# Altium PCB DM1098OAKW.PcbDoc (part 5 of 5)
Units mm, origin at the board's own origin, x right, y up, seen from the top; angles counter-clockwise.
Board outline 98.3 x 35 mm, 6 copper layers (Top Copper, Signal Layer 1, Signal Layer 2, Signal Layer 3, Signal Layer 4, Bottom Copper), stack 1.597 mm thick; 204 components, 159 nets, 836 pads, 621 vias.
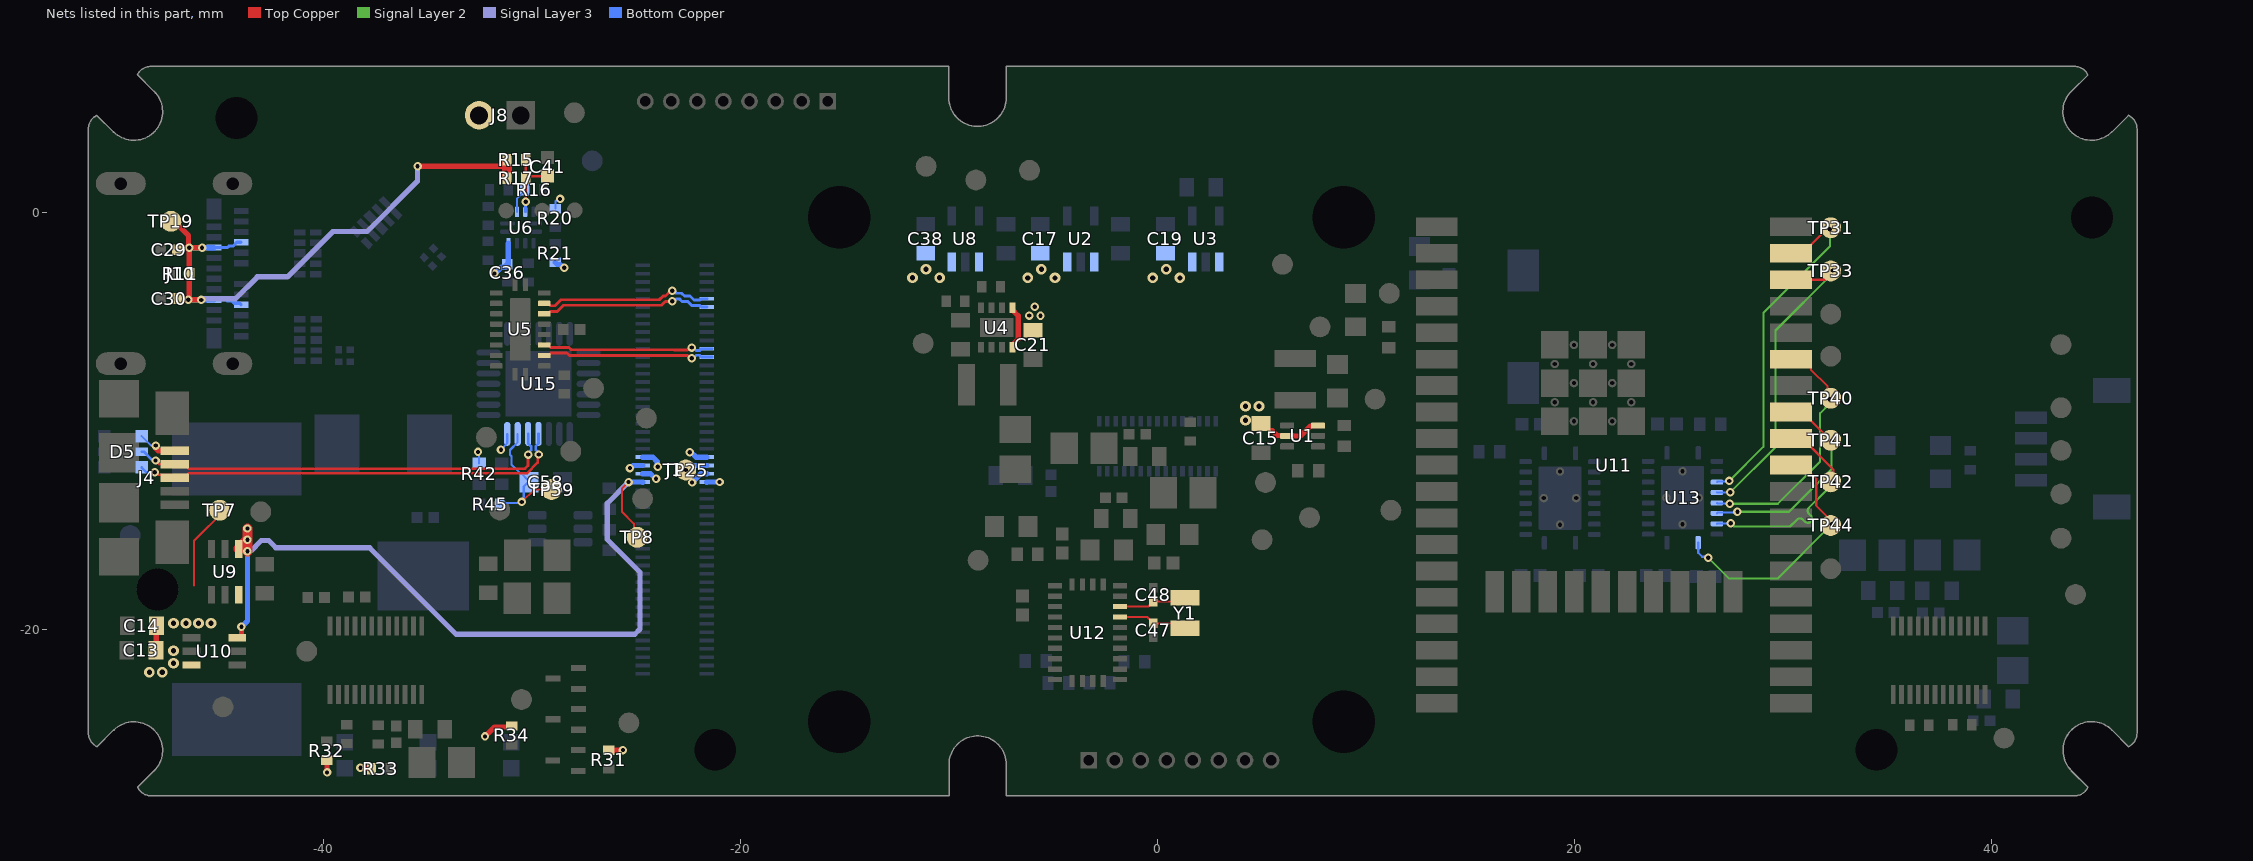
[diagram p9: the nets of this part, all layers, seen from the top]

## Via types
v1: diameter 0.406, hole 0.203, Top Copper to Bottom Copper, tented both sides, 471 vias
v2: diameter 0.508, hole 0.254, Top Copper to Bottom Copper, tented both sides, 132 vias
v3: diameter 0.508, hole 0.254, Top Copper to Bottom Copper, 16 vias
v4: diameter 0.406, hole 0.203, Top Copper to Bottom Copper, tented bottom, 2 vias

## Nets (pads, with @x,y where several pads share a name; then routed paths per layer and width w, separated by ;. In a path a pad name is that pad's centre, name@x,y a point inside that pad or via, vN(x,y) a via of type N, cw(c..) or ccw(c..) an arc to the next point about the centre after c; other vN are vias at no path point) (continued)
USB_PORT: R16.1 U6.4 | length 1.2
  Bottom Copper w0.102: U6.4@-30.734,0.014 -30.734,0.654 -30.36,1.028 R16.1@-30.36,1.078
USB_RX_N: J1.12 U5.7 | length 8.3
  Top Copper w0.139: U5.7@-29.421,-4.872 -29.246,-4.872 -29.129,-4.755 -28.79,-4.755 -28.501,-4.466 -26.284,-4.466 -25.627,-4.466 -23.79,-4.466 -23.612,-4.288 -23.29,-4.288 v1(-23.278,-4.275)
  Bottom Copper w0.139: v1(-23.278,-4.275) -23.205,-4.275 -23.085,-4.155 -22.945,-4.155 -22.81,-4.29 -22.535,-4.29 -22.342,-4.483 -21.947,-4.483 -21.88,-4.55 J1.12@-21.62,-4.55
USB_RX_P: J1.10 U5.8 | length 8.4
  Top Copper w0.139: U5.8@-29.421,-4.372 -29.246,-4.372 -29.129,-4.489 -28.9,-4.489 -28.611,-4.2 -23.9,-4.2 -23.716,-4.016 -23.597,-4.016 -23.35,-3.769 v1(-23.278,-3.769)
  Bottom Copper w0.139: v1(-23.278,-3.769) -23.205,-3.769 -23.085,-3.889 -22.835,-3.889 -22.7,-4.024 -22.425,-4.024 -22.232,-4.217 -21.947,-4.217 -21.88,-4.15 J1.10@-21.62,-4.15
USB_TX_N: J1.24 U5.3 | length 8.3
  Top Copper w0.139: U5.3@-29.421,-6.872 -29.246,-6.872 -29.129,-6.755 -28.913,-6.755 -28.345,-6.755 -28.234,-6.866 -23.327,-6.866 -23.31,-6.883 -22.541,-6.883 -22.421,-7.003 v1(-22.349,-7.003)
  Bottom Copper w0.127: v1(-22.349,-7.003) -22.273,-7.003 -22.134,-6.864 -21.966,-6.864 -21.88,-6.95 J1.24@-21.62,-6.95 J1.24@-21.36,-6.95
USB_TX_P: J1.22 U5.4 | length 8.3
  Top Copper w0.139: U5.4@-29.421,-6.372 -29.246,-6.372 -29.129,-6.489 -28.803,-6.489 -28.235,-6.489 -28.124,-6.6 -23.217,-6.6 -23.2,-6.617 -22.541,-6.617 -22.421,-6.497 v1(-22.349,-6.497)
  Bottom Copper w0.127: v1(-22.349,-6.497) -22.273,-6.497 -22.134,-6.636 -21.966,-6.636 -21.88,-6.55 J1.22@-21.62,-6.55 J1.22@-21.36,-6.55
USBSER_D_N: D5.6 J4.3 U15.4 | length 21
  Top Copper w0.127: v1(-48.106,-12.48) -48.031,-12.48 -47.907,-12.604 -47.288,-12.604 J4.3@-47.151,-12.741 -46.676,-12.741 -46.465,-12.53 -30.249,-12.53 -29.736,-12.017 -29.736,-11.679 v1(-29.683,-11.625)
  Bottom Copper w0.127: D5.6@-48.738,-12.243 -48.502,-12.479 -48.108,-12.479 v1(-48.106,-12.48) ; U15.4@-29.697,-10.636 -29.697,-11.096 -29.823,-11.222 -29.823,-11.411 -29.683,-11.552 v1(-29.683,-11.625)
USBSER_D_P: D5.5 J4.2 U15.5 | length 20.6
  Top Copper w0.127: v1(-48.072,-11.912) -47.894,-12.091 J4.2@-47.151,-12.091 -46.676,-12.091 -46.465,-12.301 -30.344,-12.301 -30.2,-12.158 -30.2,-11.639 v1(-30.189,-11.627)
  Bottom Copper w0.127: D5.5@-48.738,-11.493 -48.638,-11.493 -48.272,-11.859 -48.126,-11.859 v1(-48.072,-11.912) ; U15.5@-30.197,-10.636 -30.197,-11.086 -30.052,-11.231 -30.052,-11.414 -30.189,-11.552 v1(-30.189,-11.627)
VBUS: C29.2 C30.2 J1.53 J10.A4 J10.A9 J10.B4 J10.B9 R11.2 R15.1 R17.1 TP8.1 TP19.1 U9.1 U10.3 | length 69.5
  Top Copper w0.102: v1(-25.378,-12.947) -25.687,-13.256 -25.687,-14.383 -25.125,-14.946 -25.125,-15.44 TP8.1@-24.966,-15.598
  Top Copper w0.254: TP19.1@-47.144,-0.47 -46.488,-1.126 -46.488,-1.676 v1(-46.459,-1.704) ; C30.2@-47.108,-4.206 v1@-45.882,-4.206 ; C29.2@-47.066,-1.708 v1@-46.46,-1.708 ; v1@-46.528,-4.175 v1(-46.501,-4.202) ; v1@-46.485,-4.148 -46.46,-4.123 R11.2@-46.46,-2.981 ; R11.2@-46.46,-2.931 v1@-46.46,-1.708 ; v1(-46.459,-1.704) v1(-46.459,-1.704) v1@-46.46,-1.708 ; v1(-45.838,-1.71) v1@-46.46,-1.708 ; v1(-43.949,-19.894) U10.3@-43.949,-20.374 ; v1(-35.5,2.2) -31.34,2.2 -31.21,2.07 ; U10.3@-43.949,-20.374 -44.097,-20.374 U10.3@-44.145,-20.422 -43.997,-20.422 U10.3@-43.949,-20.374
  Top Copper w0.5: U9.1@-44.087,-16.159 -44.087,-16.144 v1(-43.661,-15.719) ; v1(-43.661,-16.262) v1(-43.661,-15.719) ; v1(-43.661,-15.176) v1(-43.661,-15.719) ; R17.1@-31.21,1.62 -31.21,2.07 R15.1@-31.21,2.52
  Signal Layer 3 w0.254: v1@-45.716,-4.151 -44.241,-4.151 -43.189,-3.1 -41.736,-3.1 -39.563,-0.927 -37.915,-0.927 -35.5,1.488 v1(-35.5,2.2) ; v1(-43.661,-16.262) -43.632,-16.233 -43.475,-16.233 -42.998,-15.756 -42.642,-15.756 -42.298,-16.1 -37.8,-16.1 -33.648,-20.252 -25.079,-20.252 -24.827,-20 -24.827,-17.273 -26.4,-15.7 -26.4,-13.968 v1(-25.378,-12.947) v1@-25.368,-12.936
  Bottom Copper w0.152: J10.B4@-45.268,-1.695 -44.615,-1.695 -44.533,-1.613 -44.331,-1.613 -44.242,-1.524 -44.242,-1.519 -44.168,-1.445 J10.A9@-43.968,-1.445
  Bottom Copper w0.158: J10.B9@-45.268,-4.195 -44.684,-4.195 -44.636,-4.243 -44.426,-4.243 -44.294,-4.374 -44.039,-4.374 J10.A4@-43.968,-4.445
  Bottom Copper w0.254: v1@-46.507,-4.208 v1(-46.501,-4.202) -45.274,-4.202 J10.B9@-45.268,-4.195 ; v1(-46.459,-1.704) -46.454,-1.708 -45.844,-1.708 -45.84,-1.712 v1(-45.838,-1.71) -45.832,-1.704 -45.276,-1.704 J10.B4@-45.268,-1.695 ; v1(-43.949,-19.894) -43.661,-19.606 v1(-43.661,-16.262) ; v1(-25.378,-12.947) -25.376,-12.948 -24.702,-12.948 J1.53@-24.7,-12.95
  other v1: -45.881,-4.208
VBUS_1: D5.4 J4.1 R42.1 U15.7 | length 3.4
  Top Copper w0.254: v1(-48.066,-11.199) -48.066,-11.325 -47.996,-11.395 -47.951,-11.441 J4.1@-47.151,-11.441
  Bottom Copper w0.102: D5.4@-48.738,-10.743 -48.281,-11.199 v1(-48.066,-11.199) ; v1(-32.6,-11.5) -32.551,-11.549 R42.1@-32.551,-12.05 ; v1(-31.5,-11.4) -31.5,-11.382 -31.197,-11.079 U15.7@-31.197,-10.636
VBUS_DET: C41.2 R15.2 R17.2 U6.5 | length 3.6
  Top Copper w0.127: v1(-30.315,0.5) -30.315,2.514 R15.2@-30.31,2.52 ; R17.2@-30.31,1.62 -30.199,1.731 C41.2@-29.265,1.731
  Bottom Copper w0.127: U6.5@-30.334,0.014 -30.325,0.024 -30.325,0.491 v1(-30.315,0.5)
VDD: C58.2 R45.1 TP59.1 U15.6 | length 6.8
  Top Copper w0.102: v1(-30.5,-13.9) -29.908,-13.308 TP59.1@-29.07,-13.308
  Bottom Copper w0.102: R45.1@-31.562,-14.017 -31.503,-13.958 -30.558,-13.958 v1(-30.5,-13.9) -30.406,-13.806 -30.406,-13.163 -30.152,-12.908 -30.551,-12.509 -30.601,-12.509 -30.995,-12.115 -30.995,-11.706 -31.063,-11.638 -31.063,-11.408 -30.697,-11.042 U15.6@-30.697,-10.636
VDD_5V: C13.2 C14.2 C15.2 C17.2 C19.2 C21.2 C36.2 C38.2 J1.47 J1.48 J1.49 J1.50 J1.51 J1.52 J1.54 J8.P2 R20.2 R21.2 R31.2 R32.2 R33.2 R34.2 TP7.1 TP25.1 U1.3 U1.5 U2.1 U2.3 U3.1 U3.3 U4.1 U4.8 U6.12 U8.1 U8.3 U9.6 U10.6 | length 23.3
  Top Copper w0.102: -46.225,-17.901 -46.225,-15.769 TP7.1@-44.728,-14.273
  Top Copper w0.254: C13.2@-48.049,-21.021 -48.039,-21.011 -48.039,-19.847 C14.2@-48.028,-19.836 ; U10.6@-46.391,-21.676 U10.6@-46.345,-21.722 ; R32.2@-39.851,-26.292 -39.846,-26.297 -39.846,-26.874 v1(-39.841,-26.879) ; v1(-38.242,-26.656) -38.218,-26.68 -37.732,-26.68 R33.2@-37.708,-26.705 ; v1(-32.265,-25.153) -31.812,-24.7 -31.032,-24.7 R34.2@-30.986,-24.653 ; R31.2@-26.331,-25.814 -26.327,-25.811 -25.652,-25.811 v1(-25.649,-25.807) ; U4.1@-6.959,-4.582 -6.959,-4.692 -6.682,-4.969 -6.682,-6.095 -6.959,-6.372 U4.8@-6.959,-6.482 -6.959,-6.568 U4.8@-6.946,-6.581 ; C15.2@4.963,-10.138 5.063,-10.138 5.413,-10.487 5.509,-10.487 5.733,-10.712 6.201,-10.712 U1.5@6.224,-10.735 6.867,-10.735 7.344,-10.258 7.681,-10.258 U1.3@7.704,-10.235 U1.3@7.889,-10.235
  Bottom Copper w0.102: R20.2@-28.888,0.172 -28.888,0.515 -28.756,0.647 -28.749,0.64 v1(-28.665,0.64)
  Bottom Copper w0.254: v1(-31.812,-2.938) -31.771,-2.938 -31.465,-2.633 -31.333,-2.633 C36.2@-31.189,-2.489 ; C36.2@-31.145,-2.493 -31.145,-1.497 U6.12@-31.134,-1.486 ; R21.2@-28.896,-2.408 -28.798,-2.506 -28.661,-2.506 -28.499,-2.669 v1(-28.458,-2.669) ; v1(-25.313,-12.274) -25.271,-12.274 -25.148,-12.15 J1.49@-24.7,-12.15 ; J1.51@-24.7,-12.55 -24.333,-12.55 -24.097,-12.786 v1(-24.056,-12.786) ; J1.47@-24.7,-11.75 -24.216,-11.75 -24.007,-11.96 -24.007,-12.181 v1(-23.978,-12.21) ; v1@-22.592,-12.358 -22.559,-12.358 -22.351,-12.15 J1.50@-21.62,-12.15 ; v1(-22.438,-11.517) -22.37,-11.517 -22.136,-11.75 J1.48@-21.62,-11.75 ; v1(-22.327,-12.968) -21.909,-12.55 J1.52@-21.62,-12.55 ; J1.54@-21.62,-12.95 -21.617,-12.947 -21.014,-12.947 v1(-21.011,-12.944)
  other v1: -22.633,-12.373 -6.151,-4.961 -5.612,-4.963 -5.89,-4.542
  other v2: -48.367,-22.079 -47.757,-22.079 -47.209,-21.635 -47.209,-21.035 -47.209,-19.723 -46.61,-19.723 -46.01,-19.723 -45.411,-19.723 4.224,-9.977 4.224,-9.311 4.872,-9.311 -11.754,-3.151 -10.455,-3.151 -6.217,-3.152 -4.918,-3.152 -0.222,-3.152 1.077,-3.152 -11.104,-2.733 -5.568,-2.735 0.428,-2.735
VSPI_CS0: TP44.1 U11.29 U13.20 | length 12.5
  Top Copper w0.102: U11.29@30.4,-12.13 30.95,-12.13 31.609,-12.789 31.609,-14.079 32.35,-14.82 v1(32.35,-14.976)
  Signal Layer 2 w0.102: v1(26.432,-16.576) 27.436,-17.58 29.746,-17.58 v1(32.35,-14.976)
  Bottom Copper w0.102: U13.20@25.943,-15.851 25.947,-15.855 25.947,-16.34 26.139,-16.531 26.387,-16.531 v1(26.432,-16.576)
VSPI_HOLDn_SIO3: TP40.1 U11.33 U13.16 | length 12
  Top Copper w0.102: U11.33@30.4,-7.05 30.95,-7.05 31.349,-7.449 31.349,-7.55 32.155,-8.356 32.155,-8.885 v1(32.247,-8.977)
  Signal Layer 2 w0.102: v1(27.46,-13.989) 29.767,-13.989 31.794,-11.961 31.794,-9.645 32.247,-9.192 v1(32.247,-8.977)
  Bottom Copper w0.102: U13.16@26.843,-13.951 26.862,-13.97 27.441,-13.97 v1(27.46,-13.989)
VSPI_SCK: TP42.1 U11.30 U13.18 | length 10.6
  Top Copper w0.102: U11.30@30.4,-10.86 30.95,-10.86 32.433,-12.343 v1(32.433,-12.999)
  Signal Layer 2 w0.102: v1(27.503,-14.926) 27.66,-15.082 30.082,-15.082 30.35,-15.082 30.682,-14.75 cw(c30.826,-14.893) 30.969,-14.75 31.064,-14.845 ccw(c31.207,-14.702) 31.351,-14.558 31.256,-14.463 cw(c31.399,-14.32) 31.256,-14.176 31.866,-13.566 v1(32.433,-12.999)
  Bottom Copper w0.102: U13.18@26.843,-14.951 26.856,-14.938 27.491,-14.938 v1(27.503,-14.926)
VSPI_SDI_SIO1: TP41.1 U11.31 U13.17 | length 10.2
  Top Copper w0.102: U11.31@30.4,-9.59 30.95,-9.59 32.344,-10.984 v1(32.344,-10.995)
  Signal Layer 2 w0.102: v1(27.826,-14.374) 30.301,-14.374 32.344,-12.331 v1(32.344,-10.995)
  Bottom Copper w0.102: U13.17@26.843,-14.451 26.882,-14.413 27.787,-14.413 v1(27.826,-14.374)
VSPI_SDO_SIO0: TP31.1 U11.37 U13.14 | length 17.2
  Top Copper w0.102: U11.37@30.4,-1.97 30.95,-1.97 32.026,-0.894 32.364,-0.894 32.287,-0.816 v1(32.261,-0.816)
  Signal Layer 2 w0.102: v1(27.435,-12.895) 29.074,-11.256 29.074,-4.834 32.261,-1.647 v1(32.261,-0.816)
  Bottom Copper w0.102: U13.14@26.843,-12.951 26.871,-12.923 27.407,-12.923 v1(27.435,-12.895)
VSPI_WPn_SIO2: TP33.1 U11.36 U13.15 | length 15.6
  Top Copper w0.102: U11.36@30.4,-3.24 32.061,-3.24 32.405,-2.895 v1(32.405,-2.8)
  Signal Layer 2 w0.102: v1(27.484,-13.437) 29.652,-11.269 29.652,-5.677 32.405,-2.924 v1(32.405,-2.8)
  Bottom Copper w0.102: U13.15@26.843,-13.451 26.85,-13.444 27.477,-13.444 v1(27.484,-13.437)
XIN: C48.2 U12.27 Y1.1 | length 3.3
  Top Copper w0.102: U12.27@-1.788,-18.924 -0.441,-18.924 -0.382,-18.866 -0.362,-18.866 -0.203,-18.707 C48.2@-0.203,-18.687 1.137,-18.687 Y1.1@1.322,-18.502
XOUT: C47.2 U12.26 Y1.2 | length 3.3
  Top Copper w0.102: U12.26@-1.788,-19.424 -1.784,-19.42 -0.49,-19.42 -0.203,-19.707 C47.2@-0.203,-19.727 1.087,-19.727 Y1.2@1.322,-19.962
pads on no net: D5.1 D5.3 FID1.1 FID2.1 FID3.1 FID4.1 FID5.1 FID6.1 J2.16 J2.21 J2.22 J4.4 J7. J10.A8 J10.B8 U1.6 U2.4 U3.4 U4.6 U5.1 U5.10 U6.9 U8.4 U11.17 U11.18 U11.19 U11.20 U11.21 U11.22 U11.32 U12.1 U12.7 U12.8 U12.12 U12.13 U12.21 U12.22 U12.23 U12.24 U13.9 U13.12 U14.3 U14.5 U14.6 U14.9 U14.12 U14.15 U14.16 U14.18 U15.1 U15.2 U15.10 U15.11 U15.12 U15.13 U15.14 U15.15 U15.16 U15.17 U15.18 U15.19 U15.20 U15.21 U15.22 U15.23 U15.27
copper on no net: | length 55.5
  Top Copper w0.102: 13.4,-23.56 17.082,-23.56 17.187,-23.455 21.265,-19.377 21.265,-18.21 ; 13.4,-22.29 17.284,-22.29 18.416,-21.158 19.995,-19.579 19.995,-18.21 ; 13.4,-21.02 17.596,-21.02 18.339,-20.276 18.725,-19.891 18.725,-18.21 ; 22.535,-18.21 22.535,-19.878 24.569,-21.912 26.217,-23.56 30.4,-23.56 ; 23.618,-18.023 23.805,-18.21 23.805,-20.224 24.29,-20.709 25.871,-22.29 30.4,-22.29 ; 25.075,-18.21 25.075,-19.799 25.875,-20.599 26.296,-21.02 30.4,-21.02

## Polygon pours and split planes (outlines as drawn)
GND on Bottom Copper "GND_L-01_P-001" (solid, remove dead copper, pour order 31): -51.151,-25.916 cw(c-48.294,-25.006) -51.292,-25 -51.292,4 cw(c-48.294,4.006) -51.151,4.916 -51.142,4.914 -50.081,3.853 ccw(c-49.109,4.825) -48.137,5.797 -49.197,6.858 -49.198,6.861 cw(c-48.296,4.004) -48.3,7 -10.009,7 -10.009,5.491 ccw(c-8.634,5.491) -7.259,5.491 -7.259,6.991 -7.259,7 44.008,7 cw(c44.004,4.004) 44.906,6.861 44.905,6.858 43.844,5.797 ccw(c44.817,4.825) 45.789,3.853 46.85,4.914 46.858,4.916 cw(c44.002,4.006) 47,4 47,-25 47,-25.008 cw(c44.004,-25.004) 46.861,-25.906 46.858,-25.905 45.797,-24.844 ccw(c44.825,-25.817) 43.853,-26.789 44.914,-27.85 44.916,-27.858 cw(c44.006,-25.002) 44,-28 44.006,-28 -7.25,-28 -7.25,-26.5 ccw(c-8.625,-26.5) -10,-26.5 -10,-28 -48.3,-28 cw(c-48.296,-25.004) -49.198,-27.861 -49.197,-27.858 -48.137,-26.797 ccw(c-49.109,-25.825) -50.081,-24.853
2V8 on Bottom Copper "2V8_L-01_P-001" (solid, pour order 12): 4.962,-2.138 4.7,-2.4 3.936,-2.4 2.7,-1.164 2.7,0.53 2.278,0.53 2.2,0.66 2.2,1.527 2.6,1.927 4.1,1.927 4.962,1.065
NetC40_2 on Bottom Copper "NETC40_2_L06_P000" (solid, pour order 0): -42.034,-22.482 -43.674,-22.482 -44.669,-21.487 -44.669,-20.645 -36.746,-12.722 -36.746,-9.899 -35.813,-8.966 -33.863,-8.966 -33.349,-9.48 -33.349,-18.391 -33.923,-18.965 -39.784,-18.965 -41.715,-20.897 -41.715,-22.162
no net on Bottom Copper "NONET_L06_P040" (solid, pour order 40): -43.429,-20.006
GND on Bottom Copper "GND_L06_P032" (solid, pour order 32): -44.145,-21.349
VDD_5V on Bottom Copper "NONET_L-01_P-001" (solid, pour order 29): 0.13,-1.246 -0.464,-1.837 -0.464,-3.202 -0.185,-3.482 3.025,-3.482 3.649,-2.857 3.649,-2.113 3.232,-1.696 1.472,-1.696 1.022,-1.246
VDD_5V on Bottom Copper "NONET_L-01_P-001" (solid, pour order 21): -5.866,-1.246 -6.46,-1.837 -6.46,-3.202 -6.181,-3.482 -2.971,-3.482 -2.347,-2.857 -2.347,-2.113 -2.763,-1.696 -4.523,-1.696 -4.973,-1.246
1V8 on Bottom Copper "NONET_L-01_P-001" (solid, pour order 19): -1.094,0.862 -0.88,0.648 -0.88,-0.588 -1.339,-1.046 -3.252,-1.046 -3.767,-0.531 -3.767,0.655 -3.56,0.862
VDD_5V on Bottom Copper "NONET_L-01_P-001" (solid, pour order 20): -11.402,-1.245 -11.996,-1.836 -11.996,-3.201 -11.717,-3.48 -8.507,-3.48 -7.883,-2.856 -7.883,-2.112 -8.3,-1.695 -10.059,-1.695 -10.51,-1.245
1V2 on Bottom Copper "NONET_L-01_P-001" (solid, pour order 18): -6.631,0.863 -6.417,0.65 -6.417,-0.587 -6.875,-1.045 -8.788,-1.045 -9.303,-0.53 -9.303,0.656 -9.096,0.863
GND on Signal Layer 2 "GND_L03_P043" (solid, remove dead copper, pour order 43): -51.151,-25.916 cw(c-48.294,-25.006) -51.292,-25 -51.292,4 cw(c-48.294,4.006) -51.151,4.916 -51.142,4.914 -50.081,3.853 ccw(c-49.109,4.825) -48.137,5.797 -49.197,6.858 -49.198,6.861 cw(c-48.296,4.004) -48.3,7 -10.009,7 -10.009,5.491 ccw(c-8.634,5.491) -7.259,5.491 -7.259,6.991 -7.259,7 44.008,7 cw(c44.004,4.004) 44.906,6.861 44.905,6.858 43.844,5.797 ccw(c44.817,4.825) 45.789,3.853 46.85,4.914 46.858,4.916 cw(c44.002,4.006) 47,4 47,-25 47,-25.008 cw(c44.004,-25.004) 46.861,-25.906 46.858,-25.905 45.797,-24.844 ccw(c44.825,-25.817) 43.853,-26.789 44.914,-27.85 44.916,-27.858 cw(c44.006,-25.002) 44,-28 44.006,-28 -7.25,-28 -7.25,-26.5 ccw(c-8.625,-26.5) -10,-26.5 -10,-28 -48.3,-28 cw(c-48.296,-25.004) -49.198,-27.861 -49.197,-27.858 -48.137,-26.797 ccw(c-49.109,-25.825) -50.081,-24.853
VBUS_1 on Signal Layer 2 "VBUS_1_L03_P001" (solid, pour order 1): -48.3,-10.4 -49.1,-11.2 -49.1,-15 -46.4,-17.7 -35,-17.7 -31.2,-13.9 -31.2,-10.9 -31.8,-10.3 -33,-10.3 -33.9,-11.2 -33.9,-13.5 -37,-16.6 -44.42,-16.6 -47,-14.02 -47,-11.1 -47.7,-10.4
VBUS on Signal Layer 2 "NONET_L-01_P-001" (solid, pour order 39): -46.654,-1.467 -46.867,-1.68 -46.867,-14.045 -44.412,-16.5 -43.305,-16.5 -43.101,-16.296 -43.101,-14.37 -45.247,-12.224 -45.247,-1.935 -45.713,-1.469
1V2 on Signal Layer 2 "1V2_L03_P002" (solid, pour order 2): -2.4,4.3 -2.4,0.601 -2.209,0.78 0.62,0.78 4.892,-3.492 16.995,-3.492 17.003,0.4 3.7,0.4 -0.2,4.3
3V3 on Signal Layer 2 "3V3_L03_P042" (solid, pour order 42): 9.094,-9.5 25.8,-9.5 27.7,-7.6 27.7,-5.5 25.8,-3.6 5.5,-3.6 1.12,0.78 -9.838,0.78 -13.658,4.6 -29.279,4.6 -33.098,0.78 -33.098,-6.587 -32.002,-7.683 -29.007,-7.683 -28.108,-6.784 -28.108,-0.249 -25.159,2.7 -15.618,2.7 -8.418,-4.5 4.276,-4.5
no net on Signal Layer 2 "NONET_L-01_P-001" (solid, pour order 33): -45.782,-1.208
no net on Signal Layer 2 "NONET_L-01_P-001" (solid, pour order 3): -45.782,-1.208
GND on Top Copper "GND_L01_P041" (solid, remove dead copper, pour order 41): -51.151,-25.916 cw(c-48.294,-25.006) -51.292,-25 -51.292,4 cw(c-48.294,4.006) -51.151,4.916 -51.142,4.914 -50.081,3.853 ccw(c-49.109,4.825) -48.137,5.797 -49.197,6.858 -49.198,6.861 cw(c-48.296,4.004) -48.3,7 -10.009,7 -10.009,5.491 ccw(c-8.634,5.491) -7.259,5.491 -7.259,6.991 -7.259,7 44.008,7 cw(c44.004,4.004) 44.906,6.861 44.905,6.858 43.844,5.797 ccw(c44.817,4.825) 45.789,3.853 46.85,4.914 46.858,4.916 cw(c44.002,4.006) 47,4 47,-25 47,-25.008 cw(c44.004,-25.004) 46.861,-25.906 46.858,-25.905 45.797,-24.844 ccw(c44.825,-25.817) 43.853,-26.789 44.914,-27.85 44.916,-27.858 cw(c44.006,-25.002) 44,-28 44.006,-28 -7.25,-28 -7.25,-26.5 ccw(c-8.625,-26.5) -10,-26.5 -10,-28 -48.3,-28 cw(c-48.296,-25.004) -49.198,-27.861 -49.197,-27.858 -48.137,-26.797 ccw(c-49.109,-25.825) -50.081,-24.853
VDD_5V on Top Copper "NONET_L-01_P-001" (solid, pour order 5): -43.553,-17.835 -43.424,-17.964 -43.424,-19.498 -44.931,-21.005 -44.931,-21.815 -45.8,-22.683 -48.325,-22.683 -48.8,-22.208 -48.8,-19.093 -47.537,-17.83
NetC40_2 on Top Copper "NETC40_2_L01_P036" (solid, pour order 36): -44.94,-21.143 -44.94,-21.806 -44.037,-22.709 -42.687,-22.709 -41.811,-21.834 -41.811,-20.743 -42.397,-20.156 -43.927,-20.156
VDD_5V on Top Copper "NONET_L-01_P-001" (solid, pour order 30): -5.284,-5.862 -5.284,-4.665 -5.554,-4.394 -6.344,-4.394 -6.761,-4.811 -6.761,-5.852 -6.528,-6.084 -5.505,-6.084
VDD_5V on Top Copper "NONET_L-01_P-001" (solid, pour order 22): 4.926,-8.986 5.513,-9.573 5.513,-10.089 5.83,-10.406 6.791,-10.406 7.323,-9.873 8.079,-9.873 8.166,-9.96 8.166,-10.328 8.032,-10.462 7.472,-10.462 7.003,-10.931 4.8,-10.931 3.994,-10.126 3.994,-9.109 4.117,-8.986
3V3 on Top Copper "NONET_L-01_P-001" (solid, pour order 11): 5.974,-6.287 5.526,-6.734 5.526,-7.417 5.638,-7.529 7.884,-7.522 8.153,-7.79 10.256,-7.791 10.425,-7.621 10.425,-6.48 10.23,-6.285
NetL2_1 on Top Copper "NetL2_1_L-01_P-001" (solid, pour order 8): 5.955,-10.282 5.537,-9.864 5.537,-8.643 5.669,-8.511 7.38,-8.511 7.557,-8.687 7.557,-9.297 6.572,-10.282
no net on Top Copper "NONET_L-01_P-001" (solid, pour order 7): -24.361,-23.275
1V2 on Signal Layer 3 "1V2_L-01_P-001" (solid, pour order 37): -26.9,-17.544 -26.9,-19.68 -27.651,-20.431 -31.41,-20.431 -33.36,-18.482 -33.36,-3.93 -26.093,3.337 -7.042,3.337 -5.148,5.231 11.827,5.231 16.658,0.4 36.8,0.4 44,-6.8 44,-17.688 35.198,-17.688 35.228,-15.1 41.4,-15.1 41.4,-11.6 32.6,-2.8 11.317,-2.8 7.517,1 -4.574,1 -5.778,-0.204 -8.275,-0.204 -9.319,0.841 -12.212,0.841 -19.55,-6.497 -28.035,-6.497 -30.485,-8.947 -30.485,-16.776 -29.716,-17.544
VDD_5V on Signal Layer 3 "NONET_L-01_P-001" (solid, pour order 34): -49.357,-16.914 -49.357,-21.914 -48.087,-23.184 -45.15,-23.184 -40.901,-27.433 -34.2,-27.4 -34.2,-26.1 -24.493,-26.1 -10.189,-11.796 4.567,-11.796 5.29,-11.073 5.288,-9.016 1.624,-6.407 1.624,-1.428 -10.728,-1.428 -19.861,-10.561 -24.819,-10.561 -26.792,-12.534 -26.792,-19.572 -27.651,-20.431 -37.788,-20.431 -42.385,-15.834 -48.278,-15.834
GND on Signal Layer 3 "GND_L04_P044" (solid, remove dead copper, pour order 44): -51.151,-25.916 cw(c-48.294,-25.006) -51.292,-25 -51.292,4 cw(c-48.294,4.006) -51.151,4.916 -51.142,4.914 -50.081,3.853 ccw(c-49.109,4.825) -48.137,5.797 -49.197,6.858 -49.198,6.861 cw(c-48.296,4.004) -48.3,7 -10.009,7 -10.009,5.491 ccw(c-8.634,5.491) -7.259,5.491 -7.259,6.991 -7.259,7 44.008,7 cw(c44.004,4.004) 44.906,6.861 44.905,6.858 43.844,5.797 ccw(c44.817,4.825) 45.789,3.853 46.85,4.914 46.858,4.916 cw(c44.002,4.006) 47,4 47,-25 47,-25.008 cw(c44.004,-25.004) 46.861,-25.906 46.858,-25.905 45.797,-24.844 ccw(c44.825,-25.817) 43.853,-26.789 44.914,-27.85 44.916,-27.858 cw(c44.006,-25.002) 44,-28 44.006,-28 -7.25,-28 -7.25,-26.5 ccw(c-8.625,-26.5) -10,-26.5 -10,-28 -48.3,-28 cw(c-48.296,-25.004) -49.198,-27.861 -49.197,-27.858 -48.137,-26.797 ccw(c-49.109,-25.825) -50.081,-24.853
1V8 on Signal Layer 3 "ttga" (solid, pour order 26): -4.574,1 -5.778,-0.204 -8.275,-0.204 -9.319,0.841 -12.212,0.841 -19.653,-6.6 -28.499,-6.6 -30.485,-8.586 -30.485,-16.776 -29.716,-17.544 -26.781,-17.544 -26.792,-17.531 -26.792,-12.542 -24.81,-10.561 -19.821,-10.561 -10.689,-1.428 1.699,-1.428 1.131,-0.86 1.131,-0.4 5.251,-0.4 5.251,-1.716 5.251,-3.332 10.6,-8.68 10.6,-13 8.671,-14.929 -7.962,-14.929 -9.684,-16.652 -9.684,-19.249 -5.778,-23.155 -0.1,-23.155 3.073,-19.983 9.845,-19.983 35.216,-19.983 35.216,-15.085 35.216,-9.2 26.8,-9.2 26.8,-11 29.895,-13.695 29.915,-15.085 27.7,-17.3 14.898,-17.3 14.898,-6.276 7.622,1
2V8 on Signal Layer 3 "2V8_L-01_P-001" (solid, pour order 35): -34.578,-27 37.854,-27 44.001,-20.853 43.998,-17.688 35.216,-17.688 35.216,-19.983 -8.951,-19.983 -9.684,-19.249 -9.663,-16.766 -7.91,-15 6.171,-15 7.982,-13.189 7.982,-5.582 5.268,-2.868 5.268,-0.4 1.153,-0.4 1.153,-5.04 5.268,-9.155 5.268,-11.095 4.567,-11.796 -10.189,-11.796 -23.871,-25.42 -34.5,-25.6
VDD_5V on Signal Layer 3 "VDD_5V_L04_P028" (solid, pour order 28): -47.3,-16.2 -47.3,-9 -32.3,6 -29.5,6 -27.8,4.3 -27.8,-2.8 -28.7,-3.7 -32.7,-3.7 -43.779,-14.779 -43.779,-15.977
3V3 on Signal Layer 3 "3V3_L04_P027" (solid, pour order 27): 10.279,-1.663 10.269,0.4 15.5,0.4 15.5,-2.8 32.6,-2.8 41.2,-11.4 41.2,-17.2 25.691,-17.2 14.898,-17.2 14.898,-6.282
3V3 on Signal Layer 3 "3V3_L04_P025" (solid, pour order 25): 7.982,-6.4 7.982,-13.189 7.271,-13.9 -3.8,-13.9 -4,-14.1 -4,-15.3 -3.2,-16.1 0,-16.1 1.2,-14.9 8.7,-14.9 10.6,-13 10.6,-6.4
GND on Signal Layer 1 "GND_L-01_P-001" (solid, remove dead copper, pour order 23): -51.151,-25.916 cw(c-48.294,-25.006) -51.292,-25 -51.292,4 cw(c-48.294,4.006) -51.151,4.916 -51.142,4.914 -50.081,3.853 ccw(c-49.109,4.825) -48.137,5.797 -49.197,6.858 -49.198,6.861 cw(c-48.296,4.004) -48.3,7 -10.009,7 -10.009,5.491 ccw(c-8.634,5.491) -7.259,5.491 -7.259,6.991 -7.259,7 44.008,7 cw(c44.004,4.004) 44.906,6.861 44.905,6.858 43.844,5.797 ccw(c44.817,4.825) 45.789,3.853 46.85,4.914 46.858,4.916 cw(c44.002,4.006) 47,4 47,-25 47,-25.008 cw(c44.004,-25.004) 46.861,-25.906 46.858,-25.905 45.797,-24.844 ccw(c44.825,-25.817) 43.853,-26.789 44.914,-27.85 44.916,-27.858 cw(c44.006,-25.002) 44,-28 44.006,-28 -7.25,-28 -7.25,-26.5 ccw(c-8.625,-26.5) -10,-26.5 -10,-28 -48.3,-28 cw(c-48.296,-25.004) -49.198,-27.861 -49.197,-27.858 -48.137,-26.797 ccw(c-49.109,-25.825) -50.081,-24.853
GND on Signal Layer 4 "GND_L-01_P-001" (solid, remove dead copper, pour order 24): -51.151,-25.916 cw(c-48.294,-25.006) -51.292,-25 -51.292,4 cw(c-48.294,4.006) -51.151,4.916 -51.142,4.914 -50.081,3.853 ccw(c-49.109,4.825) -48.137,5.797 -49.197,6.858 -49.198,6.861 cw(c-48.296,4.004) -48.3,7 -10.009,7 -10.009,5.491 ccw(c-8.634,5.491) -7.259,5.491 -7.259,6.991 -7.259,7 44.008,7 cw(c44.004,4.004) 44.906,6.861 44.905,6.858 43.844,5.797 ccw(c44.817,4.825) 45.789,3.853 46.85,4.914 46.858,4.916 cw(c44.002,4.006) 47,4 47,-25 47,-25.008 cw(c44.004,-25.004) 46.861,-25.906 46.858,-25.905 45.797,-24.844 ccw(c44.825,-25.817) 43.853,-26.789 44.914,-27.85 44.916,-27.858 cw(c44.006,-25.002) 44,-28 44.006,-28 -7.25,-28 -7.25,-26.5 ccw(c-8.625,-26.5) -10,-26.5 -10,-28 -48.3,-28 cw(c-48.296,-25.004) -49.198,-27.861 -49.197,-27.858 -48.137,-26.797 ccw(c-49.109,-25.825) -50.081,-24.853

## Other copper
Top Copper:
  region: -3.601,-17.862
  region: -4.299,-22.913
Bottom Copper:
  region net GND: -38.154,0.154
  region net GND: -38.154,0.154
  region net GND: -47.54,-25.6 -47.54,-26.658 -47.191,-27.007 -45.991,-27.007 -45.991,-22.407 -46.191,-22.207 -47.223,-22.207 -47.607,-22.59
Multi-Layer:
  pour cut-out: 3.7,7 3.7,0.4 40.1,0.4 40.1,7

## Silkscreen, mask and mechanical layers (free items; w line width, h text height)
Top Overlay:
  circle w0.25: c-12.99,-17.818 r0.25
  circle w0.2: c-12.99,-17.818 r1
  lines w0.2: -13.49,-19.868 -12.99,-20.368 ; -12.99,-18.118 -12.99,-20.368 ; -12.69,-17.818 -10.44,-17.818 ; -12.49,-19.868 -12.99,-20.368 ; -10.94,-18.318 -10.44,-17.818 ; -10.44,-17.818 -10.94,-17.318 -10.44,-17.818
  text "+" at -32.099,6.604 h2 r180
  text "-" at -30.207,6.472 h2 r180
  text "RIGHT" at -41.75,4.293 h1.5
  text "LEFT" at 31.605,4.293 h1.5
  text "ESP_GPIO4" at -21.832,-0.91 h1 r45
  text "ESP_GPIO2" at -20.588,-0.907 h1 r45
  text "ESP_GPIO15" at -27.158,-1.192 h1 r45
  text "ESP_GPIO14" at -25.857,-1.261 h1 r45
  text "ESP_GPIO13" at -24.639,-1.263 h1 r45
  text "ESP_GPIO12" at -23.421,-1.258 h1 r45
  text "I2C3" at 46.403,-12.256 h1 r90
  text "+Z" at -13.99,-16.568 h1.5
  text "+Y" at -10.537,-19.173 h1.5
  text "+X" at -12.69,-21.118 h1.5
  text "ESP_GPIO16" at -0.254,-23.744 h1 r45
  text "ESP_GPIO17" at 1.122,-23.744 h1 r45
  text "ESP_GPIO34" at 2.404,-23.744 h1 r45
  text "ESP_GPIO35" at 3.63,-23.744 h1 r45
  text "ESP_GPIO36" at 4.969,-23.744 h1 r45
  text "ESP_GPIO39" at 6.324,-23.744 h1 r45
Bottom Overlay:
  drawing of 7 lines, arcs and shapes, not listed
  text "-" at -27.461,4.62 h2
  text "+" at -35.398,4.288 h2
  text "5V" at -36.732,2.871 h1.5
  text ".project_title  / .revision" at 28.63,0.029 h1.5
  text "RST" at 22.684,-5.978 h1.5
  text "SHUTTER SYNC" at 39.108,-8.541 h1.25
  text "FSIN2" at 36.834,-10.397 h1
  text "FSIN1" at 39.72,-10.397 h1
  text "I2C3" at 40.142,-12.542 h1 r270
  text "5V" at -28.871,-19.32 h1.5
  text "+" at -29.172,-21.313 h1.52
  text "-" at -35.607,-21.358 h1.52
  text "RUN" at -31.872,-24.76 h1.5 r90
  text "PG" at -35.881,-24.971 h1.5 r90
  text "5V" at -39.717,-25.196 h1.5 r90
Top Mask:
  region: -49.197,-27.858 -48.137,-26.797 ccw(c-49.109,-25.825) -48.137,-24.853 ccw(c-49.109,-25.825) -50.081,-24.853 -51.142,-25.914 -52.291,-24.765 -51.228,-23.702 cw(c-49.109,-25.821) -46.989,-23.702 -46.985,-23.706 cw(c-49.105,-25.825) -46.985,-27.945 -48.048,-29.007
  region: -49.197,6.858 -48.137,5.797 cw(c-49.109,4.825) -48.137,3.853 cw(c-49.109,4.825) -50.081,3.853 -51.142,4.914 -52.291,3.765 -51.228,2.702 ccw(c-49.109,4.821) -46.989,2.702 -46.985,2.706 ccw(c-49.105,4.825) -46.985,6.945 -48.048,8.007
  region: -7.25,-28 -7.25,-26.5 ccw(c-8.625,-26.5) -8.625,-25.125 ccw(c-8.625,-26.5) -10,-26.5 -10,-28 -11.625,-28 -11.625,-26.497 cw(c-8.628,-26.497) -8.628,-23.5 -8.622,-23.5 cw(c-8.622,-26.497) -5.625,-26.497 -5.625,-28
  region: -7.259,6.991 -7.259,5.491 cw(c-8.634,5.491) -8.634,4.116 cw(c-8.634,5.491) -10.009,5.491 -10.009,6.991 -11.634,6.991 -11.634,5.489 ccw(c-8.636,5.489) -8.636,2.491 -8.631,2.491 ccw(c-8.631,5.489) -5.634,5.489 -5.634,6.991
  region: 46.858,-25.905 45.797,-24.844 ccw(c44.825,-25.817) 43.853,-24.844 ccw(c44.825,-25.817) 43.853,-26.789 44.914,-27.85 43.765,-28.999 42.702,-27.936 cw(c44.821,-25.817) 42.702,-23.697 42.706,-23.693 cw(c44.825,-25.813) 46.945,-23.693 48.007,-24.756
  region: 44.905,6.858 43.844,5.797 ccw(c44.817,4.825) 43.844,3.853 ccw(c44.817,4.825) 45.789,3.853 46.85,4.914 47.999,3.765 46.936,2.702 cw(c44.817,4.821) 42.697,2.702 42.693,2.706 cw(c44.813,4.825) 42.693,6.945 43.756,8.007
Bottom Mask:
  region: -49.197,-27.858 -48.137,-26.797 ccw(c-49.109,-25.825) -48.137,-24.853 ccw(c-49.109,-25.825) -50.081,-24.853 -51.142,-25.914 -52.291,-24.765 -51.228,-23.702 cw(c-49.109,-25.821) -46.989,-23.702 -46.985,-23.706 cw(c-49.105,-25.825) -46.985,-27.945 -48.048,-29.007
  region: -49.197,6.858 -48.137,5.797 cw(c-49.109,4.825) -48.137,3.853 cw(c-49.109,4.825) -50.081,3.853 -51.142,4.914 -52.291,3.765 -51.228,2.702 ccw(c-49.109,4.821) -46.989,2.702 -46.985,2.706 ccw(c-49.105,4.825) -46.985,6.945 -48.048,8.007
  region: -7.25,-28 -7.25,-26.5 ccw(c-8.625,-26.5) -8.625,-25.125 ccw(c-8.625,-26.5) -10,-26.5 -10,-28 -11.625,-28 -11.625,-26.497 cw(c-8.628,-26.497) -8.628,-23.5 -8.622,-23.5 cw(c-8.622,-26.497) -5.625,-26.497 -5.625,-28
  region: -7.259,6.991 -7.259,5.491 cw(c-8.634,5.491) -8.634,4.116 cw(c-8.634,5.491) -10.009,5.491 -10.009,6.991 -11.634,6.991 -11.634,5.489 ccw(c-8.636,5.489) -8.636,2.491 -8.631,2.491 ccw(c-8.631,5.489) -5.634,5.489 -5.634,6.991
  region: 46.858,-25.905 45.797,-24.844 ccw(c44.825,-25.817) 43.853,-24.844 ccw(c44.825,-25.817) 43.853,-26.789 44.914,-27.85 43.765,-28.999 42.702,-27.936 cw(c44.821,-25.817) 42.702,-23.697 42.706,-23.693 cw(c44.825,-25.813) 46.945,-23.693 48.007,-24.756
  region: 44.905,6.858 43.844,5.797 ccw(c44.817,4.825) 43.844,3.853 ccw(c44.817,4.825) 45.789,3.853 46.85,4.914 47.999,3.765 46.936,2.702 cw(c44.817,4.821) 42.697,2.702 42.693,2.706 cw(c44.813,4.825) 42.693,6.945 43.756,8.007
Board:
  lines w0.1: -51.298,4 cw(c-50.587,4) -50.887,4.644 ; -51.292,-25 -51.292,4 ; -51.292,-25 ccw(c-50.582,-25) -50.882,-25.643 ; -50.89,4.643 -50.092,3.846 ; -50.884,-25.642 -50.087,-24.845 ; -50.081,-24.853 cw(c-49.109,-25.825) -48.137,-26.797 ; -50.081,3.853 ccw(c-49.109,4.825) -48.137,5.797 ; -48.943,6.59 cw(c-48.3,6.29) -48.3,6.999 ; -48.942,6.592 -48.145,5.795 ; -48.936,-27.587 ccw(c-48.292,-27.287) -48.292,-27.998 ; -48.935,-27.59 -48.138,-26.792 ; -48.3,-28 -10,-28 -10,-26.5 cw(c-8.625,-26.5) -7.25,-26.5 -7.25,-28 44.002,-28 ccw(c44.002,-27.29) 44.646,-27.59 ; -48.3,7 -10.009,7 -10.009,5.491 ccw(c-8.634,5.491) -7.259,5.491 -7.259,6.991 ; -7.259,7 44.008,7 ; 43.844,5.797 ccw(c44.817,4.825) 45.789,3.853 ; 43.846,5.792 44.643,6.59 ; 43.847,-26.795 44.645,-27.592 ; 43.853,-26.789 cw(c44.825,-25.817) 45.797,-24.844 ; 44,6.998 cw(c44,6.287) 44.644,6.587 ; 45.795,-24.846 46.592,-25.643 ; 45.795,3.845 46.592,4.642 ; 46.59,-25.644 ccw(c46.289,-25) 47,-25 47,4 ; 46.59,4.643 cw(c46.29,4) 46.999,4
Top Assembly:
  lines w0.254: 41.318,-9.314 41.318,-7.314
Fab Notes:
  text "Use .GM1 only for board outline." at -15.25,-30.624 h2
Top Courtyard:
  lines w0.1: -52.294,3.779 -51.236,2.721 ccw(c-49.068,4.889) -49.068,1.823 ccw(c-49.068,4.697) -47.035,2.665 ; -52.278,-24.773 -51.132,-23.627 cw(c-49.16,-25.599) -49.16,-22.81 cw(c-49.16,-25.876) -46.992,-23.708 ; -48.062,-29.01 -47.004,-27.952 ccw(c-49.172,-25.784) -46.106,-25.784 ccw(c-48.981,-25.784) -46.948,-23.751 ; -48.057,7.995 -46.91,6.848 cw(c-48.883,4.876) -46.093,4.876 cw(c-49.159,4.876) -46.991,2.708 ; -11.626,7.004 -11.626,5.507 ccw(c-8.56,5.507) -10.728,3.339 ccw(c-8.695,5.372) -8.695,2.497 -8.633,2.497 ccw(c-8.633,5.563) -6.465,3.395 ccw(c-8.437,5.368) -5.648,5.368 -5.648,6.989 cw(c-5.627,6.989) -5.642,7.004 ; -11.616,-28.012 ccw(c-11.632,-27.997) -11.61,-27.997 -11.61,-26.376 cw(c-8.821,-26.376) -10.793,-24.404 cw(c-8.625,-26.572) -8.625,-23.506 -8.564,-23.506 cw(c-8.564,-26.38) -6.531,-24.348 cw(c-8.699,-26.516) -5.633,-26.516 -5.633,-28.012 ; 42.656,2.751 cw(c44.689,4.784) 41.814,4.784 cw(c44.88,4.784) 42.712,6.952 43.77,8.01 ; 42.7,2.708 ccw(c44.868,4.876) 44.868,1.81 ccw(c44.868,4.599) 46.84,2.627 47.986,3.773 ; 42.708,-23.7 ccw(c44.876,-25.868) 41.81,-25.868 ccw(c44.599,-25.868) 42.627,-27.84 43.773,-28.986 ; 42.751,-23.656 cw(c44.784,-25.689) 44.784,-22.814 cw(c44.784,-25.88) 46.952,-23.712 48.01,-24.77
Bottom Courtyard:
  lines w0.1: -52.308,3.807 -51.25,2.749 ccw(c-49.082,4.917) -49.082,1.851 ccw(c-49.082,4.726) -47.049,2.693 ; -52.307,-24.787 -51.16,-23.641 cw(c-49.188,-25.613) -49.188,-22.824 cw(c-49.188,-25.89) -47.02,-23.722 ; -48.091,-29.024 -47.033,-27.966 ccw(c-49.201,-25.798) -46.135,-25.798 ccw(c-49.009,-25.798) -46.976,-23.766 ; -48.071,8.023 -46.925,6.877 cw(c-48.897,4.905) -46.108,4.905 cw(c-49.174,4.905) -47.006,2.736 ; -11.616,7.034 -11.616,5.537 ccw(c-8.55,5.537) -10.718,3.369 ccw(c-8.685,5.402) -8.685,2.527 ; -11.603,-28.002 ccw(c-11.618,-27.987) -11.596,-27.987 -11.596,-26.366 cw(c-8.807,-26.366) -10.779,-24.393 cw(c-8.611,-26.562) -8.611,-23.495 -8.55,-23.495 cw(c-8.55,-26.37) -6.517,-24.337 cw(c-8.685,-26.505) -5.619,-26.505 -5.619,-28.002 ; -8.623,2.527 ccw(c-8.623,5.593) -6.455,3.425 ccw(c-8.428,5.398) -5.638,5.398 -5.638,7.019 ; 42.684,2.766 cw(c44.717,4.798) 41.842,4.798 cw(c44.908,4.798) 42.74,6.966 43.799,8.024 ; 42.722,-23.728 ccw(c44.89,-25.896) 41.824,-25.896 ccw(c44.613,-25.896) 42.641,-27.868 43.787,-29.014 ; 42.728,2.722 ccw(c44.896,4.89) 44.896,1.824 ccw(c44.896,4.613) 46.868,2.641 48.014,3.787 ; 42.766,-23.684 cw(c44.798,-25.717) 44.798,-22.842 cw(c44.798,-25.908) 46.966,-23.74 48.024,-24.799
Drill Drawing:
  drawing of 351 lines, arcs and shapes, not listed
  text "Layer" at 16.381,45.487 h1
  text "Name" at 20.565,45.487 h1
  text "Material" at 28.655,45.487 h1
  text "Thickness" at 35.925,45.487 h1
  text "Constant" at 41.897,45.486 h1
  text "Board Layer Stack" at 47.424,45.487 h1
  text "Top Overlay" at 20.565,43.487 h1
  text "Symbol" at -46.624,41.606 h1.2
  text "Count" at -41.926,41.605 h1.2
  text "Hole Size" at -37.055,41.605 h1.2
  text "Plated" at -27.492,41.606 h1.2
  text "Hole Type" at -23.368,41.606 h1.2
  text "Drill Layer Pair" at -17.364,41.606 h1.2
  text "Top Mask" at 20.565,41.487 h1
  text "Solder Resist" at 28.655,41.486 h1
  text "0,59mil" at 35.925,41.487 h1
  text "3,8" at 41.897,41.487 h1
  text "1" at -41.926,39.537 h1
  text "70,87mil (1,800mm)" at -37.055,39.536 h1
  text "NPTH" at -27.492,39.537 h1
  text "Round" at -23.368,39.537 h1
  text "Layer 1 - Layer 6" at -17.364,39.537 h1
  text "1" at 16.381,39.487 h1
  text "Layer 1" at 20.565,39.487 h1
  text "Copper" at 28.655,39.487 h1
  text "1,38mil" at 35.925,39.487 h1
  text "Dielectric 1" at 20.565,37.487 h1
  text "2313" at 28.654,37.487 h1
  text "3,94mil" at 35.925,37.487 h1
  text "4,05" at 41.897,37.487 h1
  text "2" at -41.926,37.468 h1
  text "33,86mil (0,860mm)" at -37.055,37.467 h1
  text "PTH" at -27.492,37.468 h1
  text "Round" at -23.368,37.468 h1
  text "Layer 1 - Layer 6" at -17.364,37.468 h1
  text "2" at 16.38,35.487 h1
  text "Layer 2" at 20.565,35.487 h1
  text "Copper" at 28.655,35.487 h1
  text "0,69mil" at 35.925,35.487 h1
  text "2" at -41.926,35.399 h1
  text "78,74mil (2,000mm)" at -37.055,35.399 h1
  text "NPTH" at -27.492,35.399 h1
  text "Round" at -23.368,35.399 h1
  text "Layer 1 - Layer 6" at -17.364,35.399 h1
  text "Core 1" at 20.565,33.486 h1
  text "FR-4" at 28.655,33.487 h1
  text "22,24mil" at 35.924,33.487 h1
  text "4,5" at 41.897,33.487 h1
  text "2" at -41.926,33.331 h1
  text "82,68mil (2,100mm)" at -37.055,33.33 h1
  text "NPTH" at -27.492,33.331 h1
  text "Round" at -23.368,33.331 h1
  text "Layer 1 - Layer 6" at -17.364,33.331 h1
  text "3" at 16.381,31.487 h1
  text "Layer 3" at 20.565,31.487 h1
  text "Copper" at 28.655,31.487 h1
  text "0,69mil" at 35.925,31.487 h1
  text "2" at -41.926,31.262 h1
  text "82,68mil (2,100mm)" at -37.055,31.261 h1
  text "PTH" at -27.492,31.262 h1
  text "Round" at -23.368,31.262 h1
  text "Layer 1 - Layer 6" at -17.364,31.262 h1
  text "Dielectric 2" at 20.565,29.487 h1
  text "2116" at 28.654,29.486 h1
  text "5,00mil" at 35.925,29.487 h1
  text "4,25" at 41.897,29.487 h1
  text "3" at -41.926,29.193 h1
  text "41,34mil (1,050mm)" at -37.055,29.192 h1
  text "PTH" at -27.492,29.193 h1
  text "Slot" at -23.368,29.192 h1
  text "Layer 1 - Layer 6" at -17.364,29.193 h1
  text "4" at 16.381,27.487 h1
  text "Layer 4" at 20.565,27.487 h1
  text "Copper" at 28.655,27.487 h1
  text "0,69mil" at 35.925,27.487 h1
  text "4" at -41.926,27.124 h1
  text "23,62mil (0,600mm)" at -37.055,27.124 h1
  text "PTH" at -27.492,27.124 h1
  text "Slot" at -23.368,27.124 h1
  text "Layer 1 - Layer 6" at -17.364,27.125 h1
  text "Core 2" at 20.565,25.486 h1
  text "FR-4" at 28.655,25.487 h1
  text "22,24mil" at 35.924,25.487 h1
  text "4,5" at 41.897,25.487 h1
  text "4" at -41.926,25.056 h1
  text "118,11mil (3,000mm)" at -37.055,25.055 h1
  text "PTH" at -27.492,25.056 h1
  text "Round" at -23.368,25.056 h1
  text "Layer 1 - Layer 6" at -17.364,25.056 h1
  text "5" at 16.381,23.486 h1
  text "Layer 5" at 20.565,23.487 h1
  text "Copper" at 28.655,23.487 h1
  text "0,69mil" at 35.925,23.487 h1
  text "16" at -41.926,22.986 h1
  text "19,69mil (0,500mm)" at -37.055,22.986 h1
  text "PTH" at -27.492,22.987 h1
  text "Round" at -23.368,22.987 h1
  text "Layer 1 - Layer 6" at -17.364,22.987 h1
  text "Dielectric 3" at 20.565,21.487 h1
  text "2313" at 28.654,21.487 h1
  text "3,94mil" at 35.925,21.487 h1
  text "4,05" at 41.897,21.487 h1
  text "20" at -41.926,20.918 h1
  text "10,00mil (0,254mm)" at -37.055,20.918 h1
  text "PTH" at -27.492,20.918 h1
  text "Round" at -23.368,20.919 h1
  text "Layer 1 - Layer 6" at -17.364,20.919 h1
  text "6" at 16.381,19.486 h1
  text "Layer 6" at 20.565,19.487 h1
  text "Copper" at 28.655,19.487 h1
  text "1,38mil" at 35.925,19.487 h1
  text "478" at -41.926,18.849 h1
  text "8,00mil (0,203mm)" at -37.055,18.849 h1
  text "PTH" at -27.492,18.85 h1
  text "Round" at -23.368,18.85 h1
  text "Layer 1 - Layer 6" at -17.364,18.85 h1
  text "Bottom Mask" at 20.565,17.487 h1
  text "Solder Resist" at 28.655,17.486 h1
  text "0,59mil" at 35.925,17.487 h1
  text "3,8" at 41.897,17.487 h1
  text "534 Total" at -41.926,16.781 h1
  text "Bottom Overlay" at 20.565,15.487 h1
  text "Slot definitions :" at -46.624,15.332 h1
  text "Routed Path Length" at -39.807,15.333 h1
  text "= Calculated from tool start centre position to tool end centre position." at -31.362,15.333 h1
  text "Hole Length" at -39.807,14.506 h1
  text "= Routed Path Length + Tool Size = Slot length as defined in the PCB layout" at -34.497,14.506 h1
  text "Total board thickness:" at 16.381,13.487 h1
  text "64,06mil" at 35.925,13.487 h1

## Text inside footprints (layer, text, board x,y; h text height)
J5: Top Overlay "8" at 7.325,-27.5 h1; Top Overlay "1" at -5.425,-27.5 h1
J6: Top Overlay "8" at -26.449,6.517 h1 r180; Top Overlay "1" at -13.699,6.517 h1 r180
MISC1: Bottom Assembly "BW1099 Module" at 4.167,-16.295 h2
U5: Assembly Notes "Based on 0.125 thick stencil" at -30.677,-3.022 h0.5 r270
U11: Top Assembly "WROOM" at 19.9,-18.7 h1; Top Assembly "PCB ANTENNA" at 15.9,3.04 h2; Top Assembly "WROVER" at 19.9,-23.95 h1